# KiCad board panelized.kicad_pro.kicad_pcb (continued)
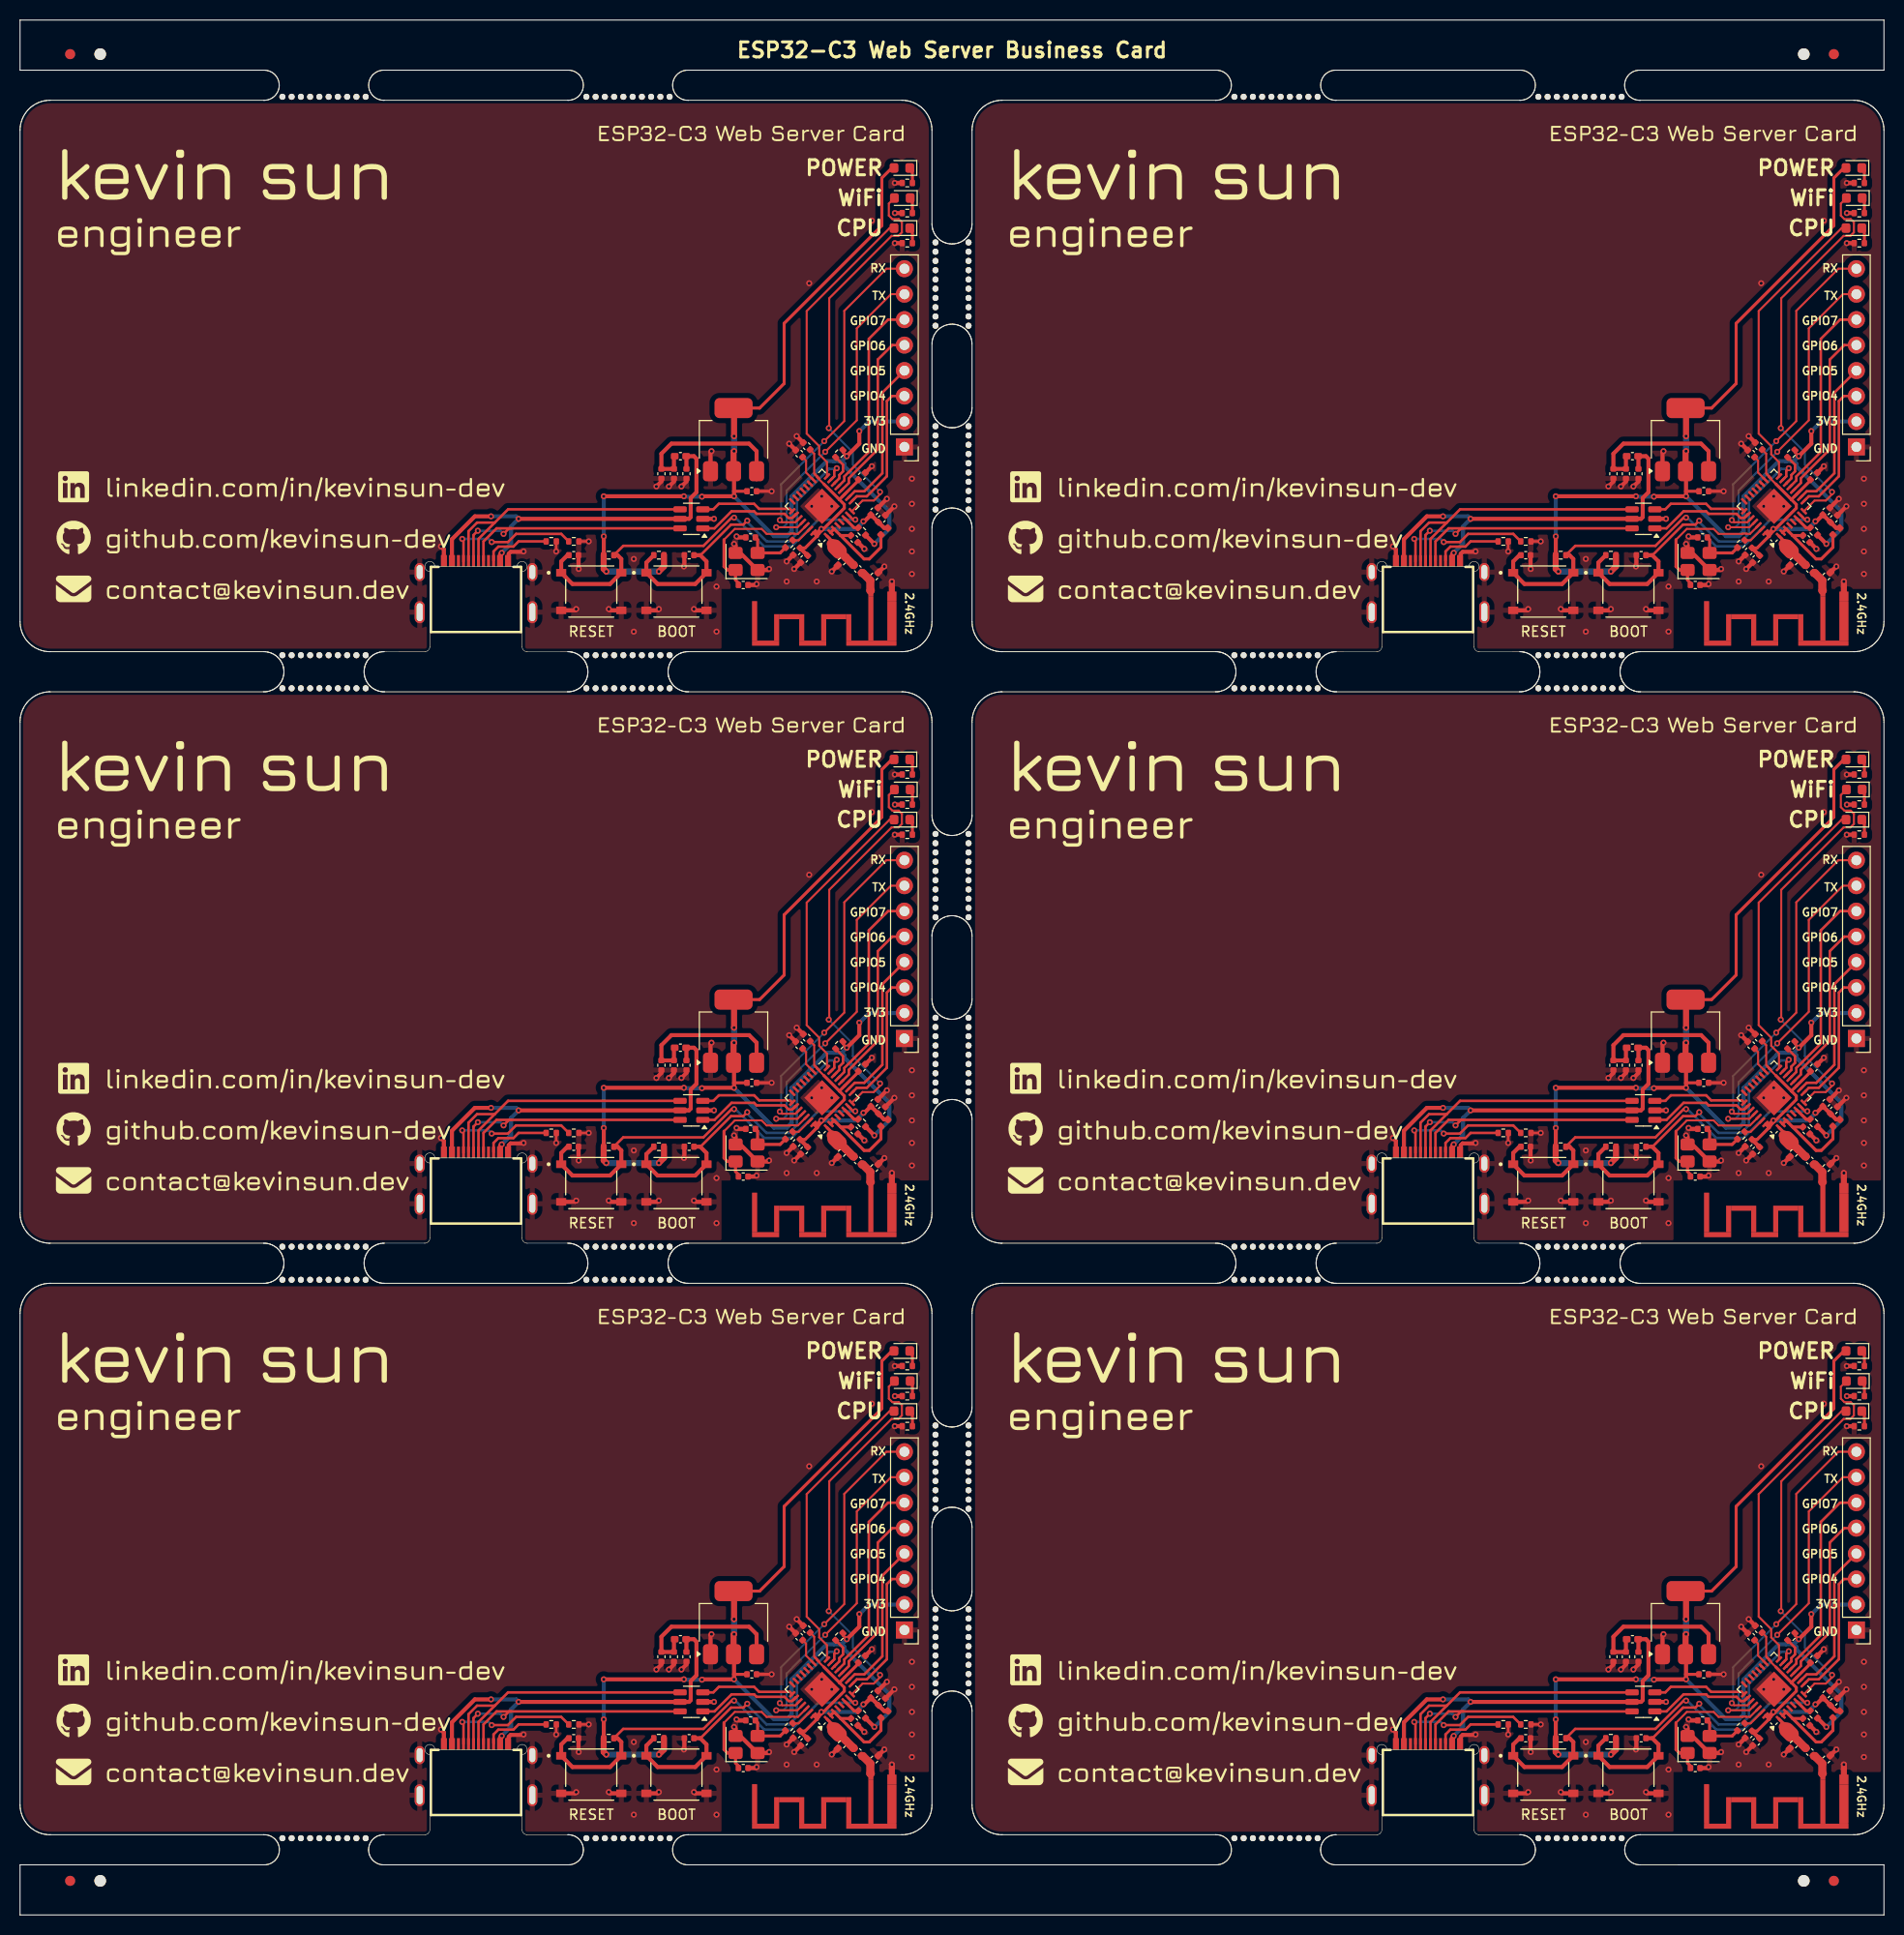
[diagram p0: board, top side]
## Routing (per net, layer and track width the routed paths; a pad name or vN(x,y) marks a point on that pad's centre or on a via; arc(x,y) is an arc through that point) (continued)
Board_2-/VDD_SPI: length 2.7
  Top w0.2: U1.18 78.44,84.87 78.44,86.06 C4#5.1
Board_3-/VBUS: length 40.6
  Top w0.4: L3#5.1 161.5,86.47 C13#6.1 ; L3#5.1 161.47,86.54 ; L3#5.1 162.25,86.5 162.5,86.25 162.5,82.9 161.93,82.33 161.93,80.43 161.75,80.25 U3#5.5 v1(144.75,80.25) ; v1(143.07,76.86) 142.9,76.69 J1#3.B4A9 ; v1(142,80.5) 140.38,80.5 138.1,78.22 J1#3.A4B9
  Bottom w0.4: v1(142,80.5) 144.5,80.5 v1(144.75,80.25) 144,79.5 144,77.79 v1(143.07,76.86)
Board_3-/VDD_SPI: length 2.7
  Top w0.2: U1#2.18 173.44,84.87 173.44,86.06 C4.1
Board_4-/VBUS: length 40.6
  Top w0.4: v1(48.07,17.86) 47.9,17.69 J1#2.B4A9 ; L3#4.1 67.25,27.5 67.5,27.25 67.5,23.9 66.93,23.33 66.93,21.43 66.75,21.25 U3#2.5 v1(49.75,21.25) ; L3#4.1 66.47,27.54 ; L3#4.1 66.5,27.47 C13#5.1 ; J1#2.A4B9 43.1,19.22 45.38,21.5 v1(47,21.5)
  Bottom w0.4: v1(47,21.5) 49.5,21.5 v1(49.75,21.25) 49,20.5 49,18.79 v1(48.07,17.86)
Board_4-/VDD_SPI: length 2.7
  Top w0.2: C4#4.1 78.44,27.06 78.44,25.87 U1#3.18
Board_5-/VBUS: length 40.6
  Top w0.4: J1#5.A4B9 138.1,19.22 140.38,21.5 v1(142,21.5) ; C13#2.1 161.5,27.47 L3.1 ; L3.1 162.25,27.5 162.5,27.25 162.5,23.9 161.93,23.33 161.93,21.43 161.75,21.25 U3#6.5 v1(144.75,21.25) ; L3.1 161.47,27.54 ; v1(143.07,17.86) 142.9,17.69 J1#5.B4A9
  Bottom w0.4: v1(143.07,17.86) 144,18.79 144,20.5 v1(144.75,21.25) 144.5,21.5 v1(142,21.5)
Board_5-/VDD_SPI: length 2.7
  Top w0.2: U1#4.18 173.44,25.87 173.44,27.06 C4#3.1
Board_0-+3.3V: length 26.4
  Top w0.2: C6#4.1 79.25,145.75 79.25,143.76 U1#6.17 79.54,143.4 80.22,142.72
  Top w0.3: U1#6.32 U1#6.31 ; U1#6.32 78.34,136.34 C7.1 ; U1#6.32 79.54,137.61 82.25,140.32 82.25,140.69 81.77,141.17 ; 81.77,141.17 81.77,141.19 U1#6.11 83.66,143.08 C5#6.1 ; 81.77,141.17 80.22,142.72
  Top w0.4: v1(79.96,138.24) 79.54,137.82 U1#6.32 ; C8#6.1 C7.1 ; L1#2.1 86.23,138.34 C2#5.1 C3#4.1 84.25,139 v1(84.16,139)
  Bottom w0.4: v1(84.16,139) 84.05,138.9 84.05,138.87 83.42,138.24 v1(79.96,138.24)
Board_0-+3V3: length 109.2
  Top w0.25: v1(82.5,145.5) 82.11,145.89 R6#6.2
  Top w0.3: D1#2.2 87,174.25 86,173.25 86,168.5 76.25,158.75 76.25,152.75 73.8,150.3 U4#2.2 ; C16.1 71.25,142
  Top w0.4: v1(68.05,141.46) 68.09,141.5 v1(71.25,141.5) 71.25,143.95 U4#2.2 ; v1(66.25,141.5) v1(58.25,141.5) ; v1(83.75,148) 83.75,146.75 v1(82.5,145.5) ; R7#5.2 v1(85.25,136.75) ; R3.1 58.25,135.64 v1(58.25,137.5)
  Top w0.6: v1(71.25,146) 71.2,145.95 U4#2.2 ; R4#5.1 64.26,134.51 v1(63.75,134) ; v1(71.25,147.5) 71.25,150.25 U4#2.2 ; R3.1 58.24,134.26 v1(58.5,134)
  Bottom w0.25: 82.12,145.13 82.12,144.88
  Bottom w0.4: v1(71.25,141.5) 75.22,137.53 76.53,137.53 77,138 77,141.5 80.5,145 81.21,145 81.21,145 81.79,145 81.79,145 82,145 82.25,144.75 82.25,144.5 86.75,140 86.75,138.25 v1(85.25,136.75) ; v1(68.05,141.46) 66.29,141.46 v1(66.25,141.5) ; v1(58.25,141.5) v1(58.25,137.5) ; J2#2.2 84.73,148.96 83.77,148 v1(83.75,148) ; v1(82.5,145.5) 82.12,145.13
  Bottom w0.6: v1(71.25,146) v1(71.25,147.5) ; v1(58.5,134) v1(63.75,134)
Board_0-/BOOTSEL: length 34.6
  Top w0.25: v1(72.57,139.07) 72.18,138.68 70.95,138.68 67.9,135.63 C18#5.1 ; U1#6.15 81.25,143.5 81.25,144.06 v1(81.5,144.3)
  Top w0.4: C18#5.1 67.88,135.63 68.5,135 BOOT.1 67.38,132.75 63.62,132.75 BOOT.1 62.5,134.89 R4#5.2
  Bottom w0.25: v1(72.57,139.07) 72.57,138.94 74.5,137 76.74,137 77.53,137.79 77.53,141.03 80.73,144.24 81.43,144.24 v1(81.5,144.3)
Board_0-/CHIP_EN: length 40.2
  Top w0.25: R3.2 60.19,136.56 68.19,136.56 71.01,139.37 v1(71.25,139.37) ; U1#6.7 83.14,139.16 v1(83.35,139.16)
  Top w0.4: C17#6.1 54.62,135.63 54,135 RESET#4.1 55.12,132.75 58.88,132.75 RESET#4.1 60,135.25 59.62,135.63 R3.2
  Bottom w0.25: v1(83.35,139.16) 79.66,139.16 77,136.5 74.25,136.5 71.38,139.37 v1(71.25,139.37)
Board_0-/GP2: length 1.7
  Top w0.3: R7#5.1 83.24,138.36 U1#6.6
Board_0-/GP8: length 3.3
  Top w0.25: R6#6.1 82.13,144.65 82.13,143.99 81.76,143.62 81.76,143.3 U1#6.14 81.27,142.77
Board_0-/LED_A: length 39.8
  Top w0.2: v1(85.82,141.94) 85.82,141.7 85.19,141.08 84.07,141.08 83.01,140.01 U1#6.8 ; D2.2 86.7,170.7 86.7,169.5 87.05,169.15 87.69,169.15 88,168.84 88,167.82 87.65,167.48 86.97,167.48 80.75,161.25 80.75,148.35 v1(80.7,148.3)
  Bottom w0.2: v1(80.7,148.3) 83.1,145.9 83.1,144.65 v1(85.82,141.94)
Board_0-/LED_B: length 29.5
  Top w0.2: D3#5.2 86.78,168.25 78.5,159.98 78.5,147.75 79.75,146.5 79.75,145.69 80.53,144.91 U1#6.16
Board_0-/LNA_IN: length 4
  Top w0.3: U1#6.1 81,137.06 81,136.75
  Top w0.8: L2#3.1 83.15,134.66 C12#4.1 81.8,136
  Top w1: 81.3,136.45 81,136.75
  Top w1.5: 81.3,136.45 81.75,136
Board_0-/MTCK: length 17.8
  Top w0.25: J2#2.5 87.04,156.58 85.6,155.14 85.6,146.19 82.71,143.3 82.71,142.83 U1#6.12
Board_0-/MTDI: length 15.6
  Top w0.25: J2#2.4 86.05,151.84 86.05,143.8 84.25,142 83.29,142 U1#6.10
Board_0-/MTDO: length 20.4
  Top w0.25: J2#2.6 86.62,159.12 84.7,157.2 84.7,145.93 82.26,143.48 82.26,143.09 U1#6.13
Board_0-/MTMS: length 14
  Top w0.25: J2#2.3 87,151.5 86.5,151 86.5,143.5 84.5,141.5 83.5,141.5 U1#6.9
Board_0-/U0RXD: length 33.7
  Top w0.2: v1(80.25,147) 82.25,149 82.25,160 86.45,164.2 J2#2.8 ; U1#6.27 77.38,138.91 76.03,138.91 v1(75.82,139.13)
  Bottom w0.2: v1(80.25,147) 75.94,142.69 75.94,139 v1(75.82,139.13)
Board_0-/U0TXD: length 32.6
  Top w0.2: U1#6.28 77.58,138.41 v1(75.46,138.41) ; J2#2.7 86.91,161.66 83.5,158.25 83.5,149.09 v1(80.35,145.94)
  Bottom w0.2: v1(75.46,138.41) 76.16,138.41 76.5,138.75 76.5,142.09 v1(80.35,145.94)
Board_0-/USB_DN: length 9.5
  Top w0.25: U3.3 69.19,140.2 69.74,140.75 73.25,140.75 73.75,140.25 76.82,140.25 U1#6.25
Board_0-/USB_DP: length 10.4
  Top w0.25: U1#6.26 77.38,139.69 77.03,139.34 76.71,139.34 76.29,139.75 73.5,139.75 73.25,140 71,140 69.3,138.3 U3.1
Board_0-/XTAL_N: length 14.8
  Top w0.2: 70.25,137.17 71.33,138.25 74,138.25 74.5,137.75 76.87,137.75 76.9,137.78 77.25,137.78 77.28,137.75 77.63,137.75 U1#6.29
  Top w0.3: C9#3.1 71.69,132.86 71.4,133.15 Y1#5.1 70.6,134.15 70.25,134.5 70.25,137.17
Board_0-/XTAL_P: length 2.2
  Top w0.2: U1#6.30 77.7,137.11 R5#3.1
Board_0-GND: length 42
  Top w0.25: R1#3.1 53.5,136.98 v1(53.5,136) ; v1(56.75,137) R2#6.2
  Top w0.3: C16.2 v1(75,142)
  Top w0.4: C17#6.2 55.73,134.27 v1(55.75,134.25) ; v1(67.25,130.25) 67.38,130.13 BOOT.2 ; C7.2 v1(76.5,135) ; J1#4.B1A12 48.7,135.5 48.77,135.57 48.77,135.77 48.96,135.96 50.21,135.96 v1(50.25,136) ; v1(63.75,130.25) 63.62,130.13 BOOT.2 ; v1(55.5,130.25) 55.38,130.13 RESET#4.2 ; v1(64.75,142.48) 65.25,142.98 C14#4.2 ; U4#2.1 68.9,145.9 v1(69,146) ; U3.2 v1(69.25,139.25) ; C6#4.2 v1(77.5,147.5) ; C12#4.2 v1(81,134) ; C18#5.2 66.29,134.54 v1(66.25,134.5) ; C8#6.2 v1(77.25,134.25) ; v1(63.5,142.48) 64,142.98 C15#3.2 ; v1(71.25,136.75) 71.4,136.6 Y1#5.4 71.87,135.85 73.57,134.15 Y1#5.2 74.65,134.15 v1(74.75,134.25) ; C3#4.2 v1(86.5,141.25) ; C1.2 v1(84.25,136.25) ; R9#6.2 v1(87.3,169.75) ; v1(58.75,130.25) 58.88,130.13 RESET#4.2 ; R8#3.2 v1(87.29,172.75) ; R10#5.2 v1(87.29,166.75) ; v1(42,136.5) 42.3,136.2 J1#4.A1B12 ; C10.2 71.6,137.4 v1(71.5,137.5) ; C13#3.2 66.5,142.98 v1(66,142.48) ; C5#6.2 v1(85,144.5) ; C11#3.2 v1(86.25,134.5) ; v1(73.5,132.75) 73.4,132.65 C9#3.2 ; C2#5.2 v1(87.25,140.5) ; C4#6.2 v1(76.75,146.75)
  Top w0.6: 2.4GHz#4.2 v1(87,133)
  vias: v1(61.25,135.25) v1(61.25,128) v1(69.5,132.5) v1(69.5,128) v1(76.5,133) v1(78.75,162.75) v1(79,140.5) v1(79.5,133) v1(80,141.5) v1(81,140.5) v1(85,169) v1(89,143.25) v1(89,140.75) v1(89,138.25) v1(89,136) v1(89,133.75)
Board_0-Net-(AE1-FEED): length 2.2
  Top w0.8: 84.9,132.1 84.85,132.1 C11#3.1 84.1,133.85 L2#3.2
Board_0-Net-(C1-Pad1): length 9.2
  Top w0.3: L1#2.2 85.91,136.41 84.75,135.25 84.22,135.25 81.89,137.59 ; U1#6.2 U1#6.3 81.89,137.59 ; 81.89,137.59 C1.1
Board_0-Net-(C10-Pad1): length 4.7
  Top w0.3: R5#3.2 75.85,135.85 Y1#5.3 73.6,137.18 C10.1
Board_0-Net-(D1-K): length 1.6
  Top w0.3: R8#3.1 89.05,173.99 D1#2.1
Board_0-Net-(D2-K): length 1.6
  Top w0.3: D2.1 89.05,171.03 R9#6.1
Board_0-Net-(D3-K): length 1.6
  Top w0.3: D3#5.1 89.05,167.99 R10#5.1
Board_0-Net-(J1-CC1): length 13.6
  Top w0.25: v1(44.12,137.25) 44.25,137.13 J1#4.A5 ; v1(47.07,136.94) 48.68,136.94 49.5,137.75 54,137.75 R2#6.1
  Bottom w0.25: v1(44.12,137.25) 46.75,137.25 v1(47.07,136.94)
Board_0-Net-(J1-CC2): length 6.6
  Top w0.25: R1#3.2 49.75,137 49.23,136.48 47.73,136.48 47.25,136 J1#4.B5
Board_0-Net-(J1-DN1): length 29.5
  Top w0.25: 47.38,138.88 45.61,138.88 44.75,138.02 J1#4.B7 ; 47.38,138.88 48.7,140.2 U3.4 ; 47.38,138.88 45.75,137.25 J1#4.A7
Board_0-Net-(J1-DP1): length 29
  Top w0.25: 49,138.3 47.55,138.3 46.25,137 J1#4.B6 ; 49,138.3 48.8,138.3 v1(48.25,137.75) ; 49,138.3 U3.6 ; v1(45.68,138.07) 45.25,137.64 J1#4.A6
  Bottom w0.25: v1(45.68,138.07) 47.93,138.07 v1(48.25,137.75)
Board_0-Net-(U4-VI): length 16.7
  Top w0.4: L3#2.2 65.25,145.42 C14#4.1 C15#3.1 64,145.75 65,146.75 72.75,146.75 73.5,146 U4#2.3 73.75,144.25 ; 73.5,143.21 73.54,143.25
Board_0-unconnected-(U1-SPIHD-Pad19): length 0.1
  Top w0.2: U1#6.19 78.73,142.77
Board_1-+3.3V: length 26.4
  Top w0.2: C6#5.1 174.25,145.75 174.25,143.76 U1#5.17 174.54,143.4 175.22,142.72
  Top w0.3: U1#5.32 174.54,137.61 177.25,140.32 177.25,140.69 176.77,141.17 ; U1#5.32 U1#5.31 ; U1#5.32 173.34,136.34 C7#3.1 ; C5#2.1 178.66,143.08 U1#5.11 176.77,141.19 176.77,141.17 ; 176.77,141.17 175.22,142.72
  Top w0.4: U1#5.32 174.54,137.82 v1(174.96,138.24) ; L1#3.1 181.23,138.34 C2#3.1 C3#2.1 179.25,139 v1(179.16,139) ; C8#2.1 C7#3.1
  Bottom w0.4: v1(174.96,138.24) 178.42,138.24 179.05,138.87 179.05,138.9 v1(179.16,139)
Board_1-+3V3: length 109.2
  Top w0.25: v1(177.5,145.5) 177.11,145.89 R6#4.2
  Top w0.3: D1.2 182,174.25 181,173.25 181,168.5 171.25,158.75 171.25,152.75 168.8,150.3 U4#6.2 ; C16#4.1 166.25,142
  Top w0.4: v1(178.75,148) 178.75,146.75 v1(177.5,145.5) ; v1(161.25,141.5) v1(153.25,141.5) ; R3#3.1 153.25,135.64 v1(153.25,137.5) ; U4#6.2 166.25,143.95 v1(166.25,141.5) 163.09,141.5 v1(163.05,141.46) ; R7#3.2 v1(180.25,136.75)
  Top w0.6: R3#3.1 153.24,134.26 v1(153.5,134) ; R4#2.1 159.26,134.51 v1(158.75,134) ; v1(166.25,147.5) 166.25,150.25 U4#6.2 ; U4#6.2 166.2,145.95 v1(166.25,146)
  Bottom w0.25: 177.12,145.13 177.12,144.88
  Bottom w0.4: v1(177.5,145.5) 177.12,145.13 ; J2.2 179.73,148.96 178.77,148 v1(178.75,148) ; v1(166.25,141.5) 170.22,137.53 171.53,137.53 172,138 172,141.5 175.5,145 176.21,145 176.21,145 176.79,145 176.79,145 177,145 177.25,144.75 177.25,144.5 181.75,140 181.75,138.25 v1(180.25,136.75) ; v1(163.05,141.46) 161.29,141.46 v1(161.25,141.5) ; v1(153.25,141.5) v1(153.25,137.5)
  Bottom w0.6: v1(166.25,146) v1(166.25,147.5) ; v1(153.5,134) v1(158.75,134)
Board_1-/BOOTSEL: length 34.6
  Top w0.25: v1(176.5,144.3) 176.25,144.06 176.25,143.5 U1#5.15 ; v1(167.57,139.07) 167.18,138.68 165.95,138.68 162.9,135.63 C18#2.1
  Top w0.4: C18#2.1 162.88,135.63 163.5,135 BOOT#4.1 162.38,132.75 158.62,132.75 BOOT#4.1 157.5,134.89 R4#2.2
  Bottom w0.25: v1(167.57,139.07) 167.57,138.94 169.5,137 171.74,137 172.53,137.79 172.53,141.03 175.73,144.24 176.43,144.24 v1(176.5,144.3)
Board_1-/CHIP_EN: length 40.2
  Top w0.25: U1#5.7 178.14,139.16 v1(178.35,139.16) ; R3#3.2 155.19,136.56 163.19,136.56 166.01,139.37 v1(166.25,139.37)
  Top w0.4: C17#5.1 149.62,135.63 149,135 RESET#3.1 150.12,132.75 153.88,132.75 RESET#3.1 155,135.25 154.62,135.63 R3#3.2
  Bottom w0.25: v1(178.35,139.16) 174.66,139.16 172,136.5 169.25,136.5 166.38,139.37 v1(166.25,139.37)
Board_1-/GP2: length 1.7
  Top w0.3: R7#3.1 178.24,138.36 U1#5.6
Board_1-/GP8: length 3.3
  Top w0.25: R6#4.1 177.13,144.65 177.13,143.99 176.76,143.62 176.76,143.3 U1#5.14 176.27,142.77
Board_1-/LED_A: length 39.8
  Top w0.2: v1(180.82,141.94) 180.82,141.7 180.19,141.08 179.07,141.08 178.01,140.01 U1#5.8 ; D2#6.2 181.7,170.7 181.7,169.5 182.05,169.15 182.69,169.15 183,168.84 183,167.82 182.65,167.48 181.97,167.48 175.75,161.25 175.75,148.35 v1(175.7,148.3)
  Bottom w0.2: v1(180.82,141.94) 178.1,144.65 178.1,145.9 v1(175.7,148.3)
Board_1-/LED_B: length 29.5
  Top w0.2: U1#5.16 175.53,144.91 174.75,145.69 174.75,146.5 173.5,147.75 173.5,159.98 181.78,168.25 D3#3.2
Board_1-/LNA_IN: length 4
  Top w0.3: 176,136.75 176,137.06 U1#5.1
  Top w0.8: L2#4.1 178.15,134.66 C12#3.1 176.8,136
  Top w1: 176.3,136.45 176,136.75
  Top w1.5: 176.3,136.45 176.75,136
Board_1-/MTCK: length 17.8
  Top w0.25: J2.5 182.04,156.58 180.6,155.14 180.6,146.19 177.71,143.3 177.71,142.83 U1#5.12
Board_1-/MTDI: length 15.6
  Top w0.25: U1#5.10 178.29,142 179.25,142 181.05,143.8 181.05,151.84 J2.4
Board_1-/MTDO: length 20.4
  Top w0.25: J2.6 181.62,159.12 179.7,157.2 179.7,145.93 177.26,143.48 177.26,143.09 U1#5.13
Board_1-/MTMS: length 14
  Top w0.25: U1#5.9 178.5,141.5 179.5,141.5 181.5,143.5 181.5,151 182,151.5 J2.3
Board_1-/U0RXD: length 33.7
  Top w0.2: U1#5.27 172.38,138.91 171.03,138.91 v1(170.82,139.13) ; J2.8 181.45,164.2 177.25,160 177.25,149 v1(175.25,147)
  Bottom w0.2: v1(175.25,147) 170.94,142.69 170.94,139 v1(170.82,139.13)
Board_1-/U0TXD: length 32.6
  Top w0.2: v1(170.46,138.41) 172.58,138.41 U1#5.28 ; v1(175.35,145.94) 178.5,149.09 178.5,158.25 181.91,161.66 J2.7
  Bottom w0.2: v1(170.46,138.41) 171.16,138.41 171.5,138.75 171.5,142.09 v1(175.35,145.94)
Board_1-/USB_DN: length 9.5
  Top w0.25: U3#3.3 164.19,140.2 164.74,140.75 168.25,140.75 168.75,140.25 171.82,140.25 U1#5.25
Board_1-/USB_DP: length 10.4
  Top w0.25: U1#5.26 172.38,139.69 172.03,139.34 171.71,139.34 171.29,139.75 168.5,139.75 168.25,140 166,140 164.3,138.3 U3#3.1
Board_1-/XTAL_N: length 14.8
  Top w0.2: U1#5.29 172.63,137.75 172.28,137.75 172.25,137.78 171.9,137.78 171.87,137.75 169.5,137.75 169,138.25 166.33,138.25 165.25,137.17
  Top w0.3: C9#6.1 166.69,132.86 166.4,133.15 Y1#6.1 165.6,134.15 165.25,134.5 165.25,137.17
Board_1-/XTAL_P: length 2.2
  Top w0.2: R5#4.1 172.7,137.11 U1#5.30
Board_1-GND: length 42
  Top w0.25: v1(148.5,136) 148.5,136.98 R1#6.1 ; v1(151.75,137) R2.2
  Top w0.3: C16#4.2 v1(170,142)
  Top w0.4: v1(168.5,132.75) 168.4,132.65 C9#6.2 ; R9#4.2 v1(182.3,169.75) ; J1#6.B1A12 143.7,135.5 143.77,135.57 143.77,135.77 143.96,135.96 145.21,135.96 v1(145.25,136) ; C2#3.2 v1(182.25,140.5) ; C13#4.2 161.5,142.98 v1(161,142.48) ; C10#3.2 166.6,137.4 v1(166.5,137.5) ; BOOT#4.2 162.38,130.13 v1(162.25,130.25) ; C12#3.2 v1(176,134) ; BOOT#4.2 158.62,130.13 v1(158.75,130.25) ; C7#3.2 v1(171.5,135) ; C15#4.2 159,142.98 v1(158.5,142.48) ; C3#2.2 v1(181.5,141.25) ; U3#3.2 v1(164.25,139.25) ; R8#2.2 v1(182.29,172.75) ; RESET#3.2 150.38,130.13 v1(150.5,130.25) ; C1#2.2 v1(179.25,136.25) ; v1(137,136.5) 137.3,136.2 J1#6.A1B12 ; v1(164,146) 163.9,145.9 U4#6.1 ; C14.2 160.25,142.98 v1(159.75,142.48) ; C17#5.2 150.73,134.27 v1(150.75,134.25) ; v1(166.25,136.75) 166.4,136.6 Y1#6.4 166.87,135.85 168.57,134.15 Y1#6.2 169.65,134.15 v1(169.75,134.25) ; C6#5.2 v1(172.5,147.5) ; v1(153.75,130.25) 153.88,130.13 RESET#3.2 ; C11#5.2 v1(181.25,134.5) ; C8#2.2 v1(172.25,134.25) ; v1(161.25,134.5) 161.29,134.54 C18#2.2 ; C5#2.2 v1(180,144.5) ; C4#2.2 v1(171.75,146.75) ; R10#6.2 v1(182.29,166.75)
  Top w0.6: 2.4GHz#3.2 v1(182,133)
  vias: v1(156.25,135.25) v1(156.25,128) v1(164.5,132.5) v1(164.5,128) v1(171.5,133) v1(173.75,162.75) v1(174,140.5) v1(174.5,133) v1(175,141.5) v1(176,140.5) v1(180,169) v1(184,143.25) v1(184,140.75) v1(184,138.25) v1(184,136) v1(184,133.75)
Board_1-Net-(AE1-FEED): length 2.2
  Top w0.8: L2#4.2 179.1,133.85 C11#5.1 179.85,132.1 179.9,132.1
Board_1-Net-(C1-Pad1): length 9.2
  Top w0.3: 176.89,137.59 C1#2.1 ; 176.89,137.59 U1#5.3 U1#5.2 ; 176.89,137.59 179.22,135.25 179.75,135.25 180.91,136.41 L1#3.2
Board_1-Net-(C10-Pad1): length 4.7
  Top w0.3: R5#4.2 170.85,135.85 Y1#6.3 168.6,137.18 C10#3.1
Board_1-Net-(D1-K): length 1.6
  Top w0.3: R8#2.1 184.05,173.99 D1.1
Board_1-Net-(D2-K): length 1.6
  Top w0.3: D2#6.1 184.05,171.03 R9#4.1
Board_1-Net-(D3-K): length 1.6
  Top w0.3: D3#3.1 184.05,167.99 R10#6.1
Board_1-Net-(J1-CC1): length 13.6
  Top w0.25: J1#6.A5 139.25,137.13 v1(139.12,137.25) ; R2.1 149,137.75 144.5,137.75 143.68,136.94 v1(142.07,136.94)
  Bottom w0.25: v1(139.12,137.25) 141.75,137.25 v1(142.07,136.94)
Board_1-Net-(J1-CC2): length 6.6
  Top w0.25: R1#6.2 144.75,137 144.23,136.48 142.73,136.48 142.25,136 J1#6.B5
Board_1-Net-(J1-DN1): length 29.5
  Top w0.25: 142.38,138.88 140.61,138.88 139.75,138.02 J1#6.B7 ; 142.38,138.88 140.75,137.25 J1#6.A7 ; 142.38,138.88 143.7,140.2 U3#3.4
Board_1-Net-(J1-DP1): length 29
  Top w0.25: J1#6.A6 140.25,137.64 v1(140.68,138.07) ; 144,138.3 142.55,138.3 141.25,137 J1#6.B6 ; 144,138.3 143.8,138.3 v1(143.25,137.75) ; 144,138.3 U3#3.6
  Bottom w0.25: v1(140.68,138.07) 142.93,138.07 v1(143.25,137.75)
Board_1-Net-(U4-VI): length 16.7
  Top w0.4: L3#6.2 160.25,145.42 C14.1 C15#4.1 159,145.75 160,146.75 167.75,146.75 168.5,146 U4#6.3 168.75,144.25 ; 168.5,143.21 168.54,143.25
Board_1-unconnected-(U1-SPIHD-Pad19): length 0.1
  Top w0.2: U1#5.19 173.73,142.77
Board_2-+3.3V: length 26.4
  Top w0.2: 80.22,83.72 79.54,84.4 U1.17 79.25,84.76 79.25,86.75 C6#3.1
  Top w0.3: U1.32 78.34,77.34 C7#5.1 ; U1.32 U1.31 ; U1.32 79.54,78.61 82.25,81.32 82.25,81.69 81.77,82.17 ; C5#4.1 83.66,84.08 U1.11 81.77,82.19 81.77,82.17 ; 81.77,82.17 80.22,83.72
  Top w0.4: L1.1 86.23,79.34 C2#6.1 C3#5.1 84.25,80 v1(84.16,80) ; U1.32 79.54,78.82 v1(79.96,79.24) ; C8#3.1 C7#5.1
  Bottom w0.4: v1(84.16,80) 84.05,79.9 84.05,79.87 83.42,79.24 v1(79.96,79.24)
Board_2-+3V3: length 109.2
  Top w0.25: v1(82.5,86.5) 82.11,86.89 R6#3.2
  Top w0.3: C16#2.1 71.25,83 ; D1#3.2 87,115.25 86,114.25 86,109.5 76.25,99.75 76.25,93.75 73.8,91.3 U4#5.2
  Top w0.4: R7#6.2 v1(85.25,77.75) ; v1(66.25,82.5) v1(58.25,82.5) ; R3#2.1 58.25,76.64 v1(58.25,78.5) ; v1(83.75,89) 83.75,87.75 v1(82.5,86.5) ; U4#5.2 71.25,84.95 v1(71.25,82.5) 68.09,82.5 v1(68.05,82.46)
  Top w0.6: v1(58.5,75) 58.24,75.26 R3#2.1 ; U4#5.2 71.25,91.25 v1(71.25,88.5) ; R4#3.1 64.26,75.51 v1(63.75,75) ; U4#5.2 71.2,86.95 v1(71.25,87)
  Bottom w0.25: 82.12,86.13 82.12,85.88
  Bottom w0.4: v1(83.75,89) 83.77,89 84.73,89.96 J2#5.2 ; v1(82.5,86.5) 82.12,86.13 ; v1(85.25,77.75) 86.75,79.25 86.75,81 82.25,85.5 82.25,85.75 82,86 81.79,86 81.79,86 81.21,86 81.21,86 80.5,86 77,82.5 77,79 76.53,78.53 75.22,78.53 v1(71.25,82.5) ; v1(68.05,82.46) 66.29,82.46 v1(66.25,82.5) ; v1(58.25,82.5) v1(58.25,78.5)
  Bottom w0.6: v1(71.25,87) v1(71.25,88.5) ; v1(58.5,75) v1(63.75,75)
Board_2-/BOOTSEL: length 34.6
  Top w0.25: C18#3.1 67.9,76.63 70.95,79.68 72.18,79.68 v1(72.57,80.07) ; v1(81.5,85.3) 81.25,85.06 81.25,84.5 U1.15
  Top w0.4: C18#3.1 67.88,76.63 68.5,76 BOOT#3.1 67.38,73.75 63.62,73.75 BOOT#3.1 62.5,75.89 R4#3.2
  Bottom w0.25: v1(81.5,85.3) 81.43,85.24 80.73,85.24 77.53,82.03 77.53,78.79 76.74,78 74.5,78 72.57,79.94 v1(72.57,80.07)
Board_2-/CHIP_EN: length 40.2
  Top w0.25: R3#2.2 60.19,77.56 68.19,77.56 71.01,80.37 v1(71.25,80.37) ; v1(83.35,80.16) 83.14,80.16 U1.7
  Top w0.4: C17#2.1 54.62,76.63 54,76 RESET#5.1 55.12,73.75 58.88,73.75 RESET#5.1 60,76.25 59.62,76.63 R3#2.2
  Bottom w0.25: v1(71.25,80.37) 71.38,80.37 74.25,77.5 77,77.5 79.66,80.16 v1(83.35,80.16)
Board_2-/GP2: length 1.7
  Top w0.3: R7#6.1 83.24,79.36 U1.6
Board_2-/GP8: length 3.3
  Top w0.25: 81.27,83.77 U1.14 81.76,84.3 81.76,84.62 82.13,84.99 82.13,85.65 R6#3.1
Board_2-/LED_A: length 39.8
  Top w0.2: v1(80.7,89.3) 80.75,89.35 80.75,102.25 86.97,108.48 87.65,108.48 88,108.82 88,109.84 87.69,110.15 87.05,110.15 86.7,110.5 86.7,111.7 D2#4.2 ; v1(85.82,82.94) 85.82,82.7 85.19,82.08 84.07,82.08 83.01,81.01 U1.8
  Bottom w0.2: v1(85.82,82.94) 83.1,85.65 83.1,86.9 v1(80.7,89.3)
Board_2-/LED_B: length 29.5
  Top w0.2: U1.16 80.53,85.91 79.75,86.69 79.75,87.5 78.5,88.75 78.5,100.98 86.78,109.25 D3#4.2
Board_2-/LNA_IN: length 4
  Top w0.3: 81,77.75 81,78.06 U1.1
  Top w0.8: L2.1 83.15,75.66 C12#6.1 81.8,77
  Top w1: 81.3,77.45 81,77.75
  Top w1.5: 81.3,77.45 81.75,77
Board_2-/MTCK: length 17.8
  Top w0.25: U1.12 82.71,83.83 82.71,84.3 85.6,87.19 85.6,96.14 87.04,97.58 J2#5.5
Board_2-/MTDI: length 15.6
  Top w0.25: J2#5.4 86.05,92.84 86.05,84.8 84.25,83 83.29,83 U1.10
Board_2-/MTDO: length 20.4
  Top w0.25: J2#5.6 86.62,100.12 84.7,98.2 84.7,86.93 82.26,84.48 82.26,84.09 U1.13
Board_2-/MTMS: length 14
  Top w0.25: J2#5.3 87,92.5 86.5,92 86.5,84.5 84.5,82.5 83.5,82.5 U1.9
Board_2-/U0RXD: length 33.7
  Top w0.2: U1.27 77.38,79.91 76.03,79.91 v1(75.82,80.13) ; v1(80.25,88) 82.25,90 82.25,101 86.45,105.2 J2#5.8
  Bottom w0.2: v1(75.82,80.13) 75.94,80 75.94,83.69 v1(80.25,88)
Board_2-/U0TXD: length 32.6
  Top w0.2: J2#5.7 86.91,102.66 83.5,99.25 83.5,90.09 v1(80.35,86.94) ; v1(75.46,79.41) 77.58,79.41 U1.28
  Bottom w0.2: v1(80.35,86.94) 76.5,83.09 76.5,79.75 76.16,79.41 v1(75.46,79.41)
Board_2-/USB_DN: length 9.5
  Top w0.25: U1.25 76.82,81.25 73.75,81.25 73.25,81.75 69.74,81.75 69.19,81.2 U3#4.3
Board_2-/USB_DP: length 10.4
  Top w0.25: U3#4.1 69.3,79.3 71,81 73.25,81 73.5,80.75 76.29,80.75 76.71,80.34 77.03,80.34 77.38,80.69 U1.26
Board_2-/XTAL_N: length 14.8
  Top w0.2: 70.25,78.17 71.33,79.25 74,79.25 74.5,78.75 76.87,78.75 76.9,78.78 77.25,78.78 77.28,78.75 77.63,78.75 U1.29
  Top w0.3: C9#4.1 71.69,73.86 71.4,74.15 Y1#3.1 70.6,75.15 70.25,75.5 70.25,78.17
Board_2-/XTAL_P: length 2.2
  Top w0.2: U1.30 77.7,78.11 R5.1
Board_2-GND: length 42
  Top w0.25: v1(56.75,78) R2#5.2 ; v1(53.5,77) 53.5,77.98 R1.1
  Top w0.3: C16#2.2 v1(75,83)
  Top w0.4: v1(66,83.48) 66.5,83.98 C13.2 ; C3#5.2 v1(86.5,82.25) ; C9#4.2 73.4,73.65 v1(73.5,73.75) ; v1(71.5,78.5) 71.6,78.4 C10#6.2 ; v1(71.25,77.75) 71.4,77.6 Y1#3.4 71.87,76.85 73.57,75.15 Y1#3.2 74.65,75.15 v1(74.75,75.25) ; v1(64.75,83.48) 65.25,83.98 C14#6.2 ; v1(55.5,71.25) 55.38,71.13 RESET#5.2 ; C8#3.2 v1(77.25,75.25) ; U4#5.1 68.9,86.9 v1(69,87) ; v1(63.5,83.48) 64,83.98 C15#2.2 ; C4#5.2 v1(76.75,87.75) ; C18#3.2 66.29,75.54 v1(66.25,75.5) ; C11#4.2 v1(86.25,75.5) ; R9#2.2 v1(87.3,110.75) ; R10#2.2 v1(87.29,107.75) ; v1(63.75,71.25) 63.62,71.13 BOOT#3.2 ; v1(50.25,77) 50.21,76.96 48.96,76.96 48.77,76.77 48.77,76.57 48.7,76.5 J1.B1A12 ; U3#4.2 v1(69.25,80.25) ; v1(42,77.5) 42.3,77.2 J1.A1B12 ; BOOT#3.2 67.38,71.13 v1(67.25,71.25) ; C17#2.2 55.73,75.27 v1(55.75,75.25) ; C1#4.2 v1(84.25,77.25) ; C7#5.2 v1(76.5,76) ; C6#3.2 v1(77.5,88.5) ; C2#6.2 v1(87.25,81.5) ; C12#6.2 v1(81,75) ; v1(58.75,71.25) 58.88,71.13 RESET#5.2 ; R8#4.2 v1(87.29,113.75) ; C5#4.2 v1(85,85.5)
  Top w0.6: 2.4GHz.2 v1(87,74)
  vias: v1(61.25,76.25) v1(61.25,69) v1(69.5,73.5) v1(69.5,69) v1(76.5,74) v1(78.75,103.75) v1(79,81.5) v1(79.5,74) v1(80,82.5) v1(81,81.5) v1(85,110) v1(89,84.25) v1(89,81.75) v1(89,79.25) v1(89,77) v1(89,74.75)
Board_2-Net-(AE1-FEED): length 2.2
  Top w0.8: 84.9,73.1 84.85,73.1 C11#4.1 84.1,74.85 L2.2
Board_2-Net-(C1-Pad1): length 9.2
  Top w0.3: U1.2 U1.3 81.89,78.59 ; 81.89,78.59 C1#4.1 ; 81.89,78.59 84.22,76.25 84.75,76.25 85.91,77.41 L1.2
Board_2-Net-(C10-Pad1): length 4.7
  Top w0.3: R5.2 75.85,76.85 Y1#3.3 73.6,78.18 C10#6.1
Board_2-Net-(D1-K): length 1.6
  Top w0.3: D1#3.1 89.05,114.99 R8#4.1
Board_2-Net-(D2-K): length 1.6
  Top w0.3: D2#4.1 89.05,112.03 R9#2.1
Board_2-Net-(D3-K): length 1.6
  Top w0.3: R10#2.1 89.05,108.99 D3#4.1
Board_2-Net-(J1-CC1): length 13.6
  Top w0.25: v1(47.07,77.94) 48.68,77.94 49.5,78.75 54,78.75 R2#5.1 ; J1.A5 44.25,78.13 v1(44.12,78.25)
  Bottom w0.25: v1(44.12,78.25) 46.75,78.25 v1(47.07,77.94)
Board_2-Net-(J1-CC2): length 6.6
  Top w0.25: R1.2 49.75,78 49.23,77.48 47.73,77.48 47.25,77 J1.B5
Board_2-Net-(J1-DN1): length 29.5